# KiCad board rosario.kicad_pcb
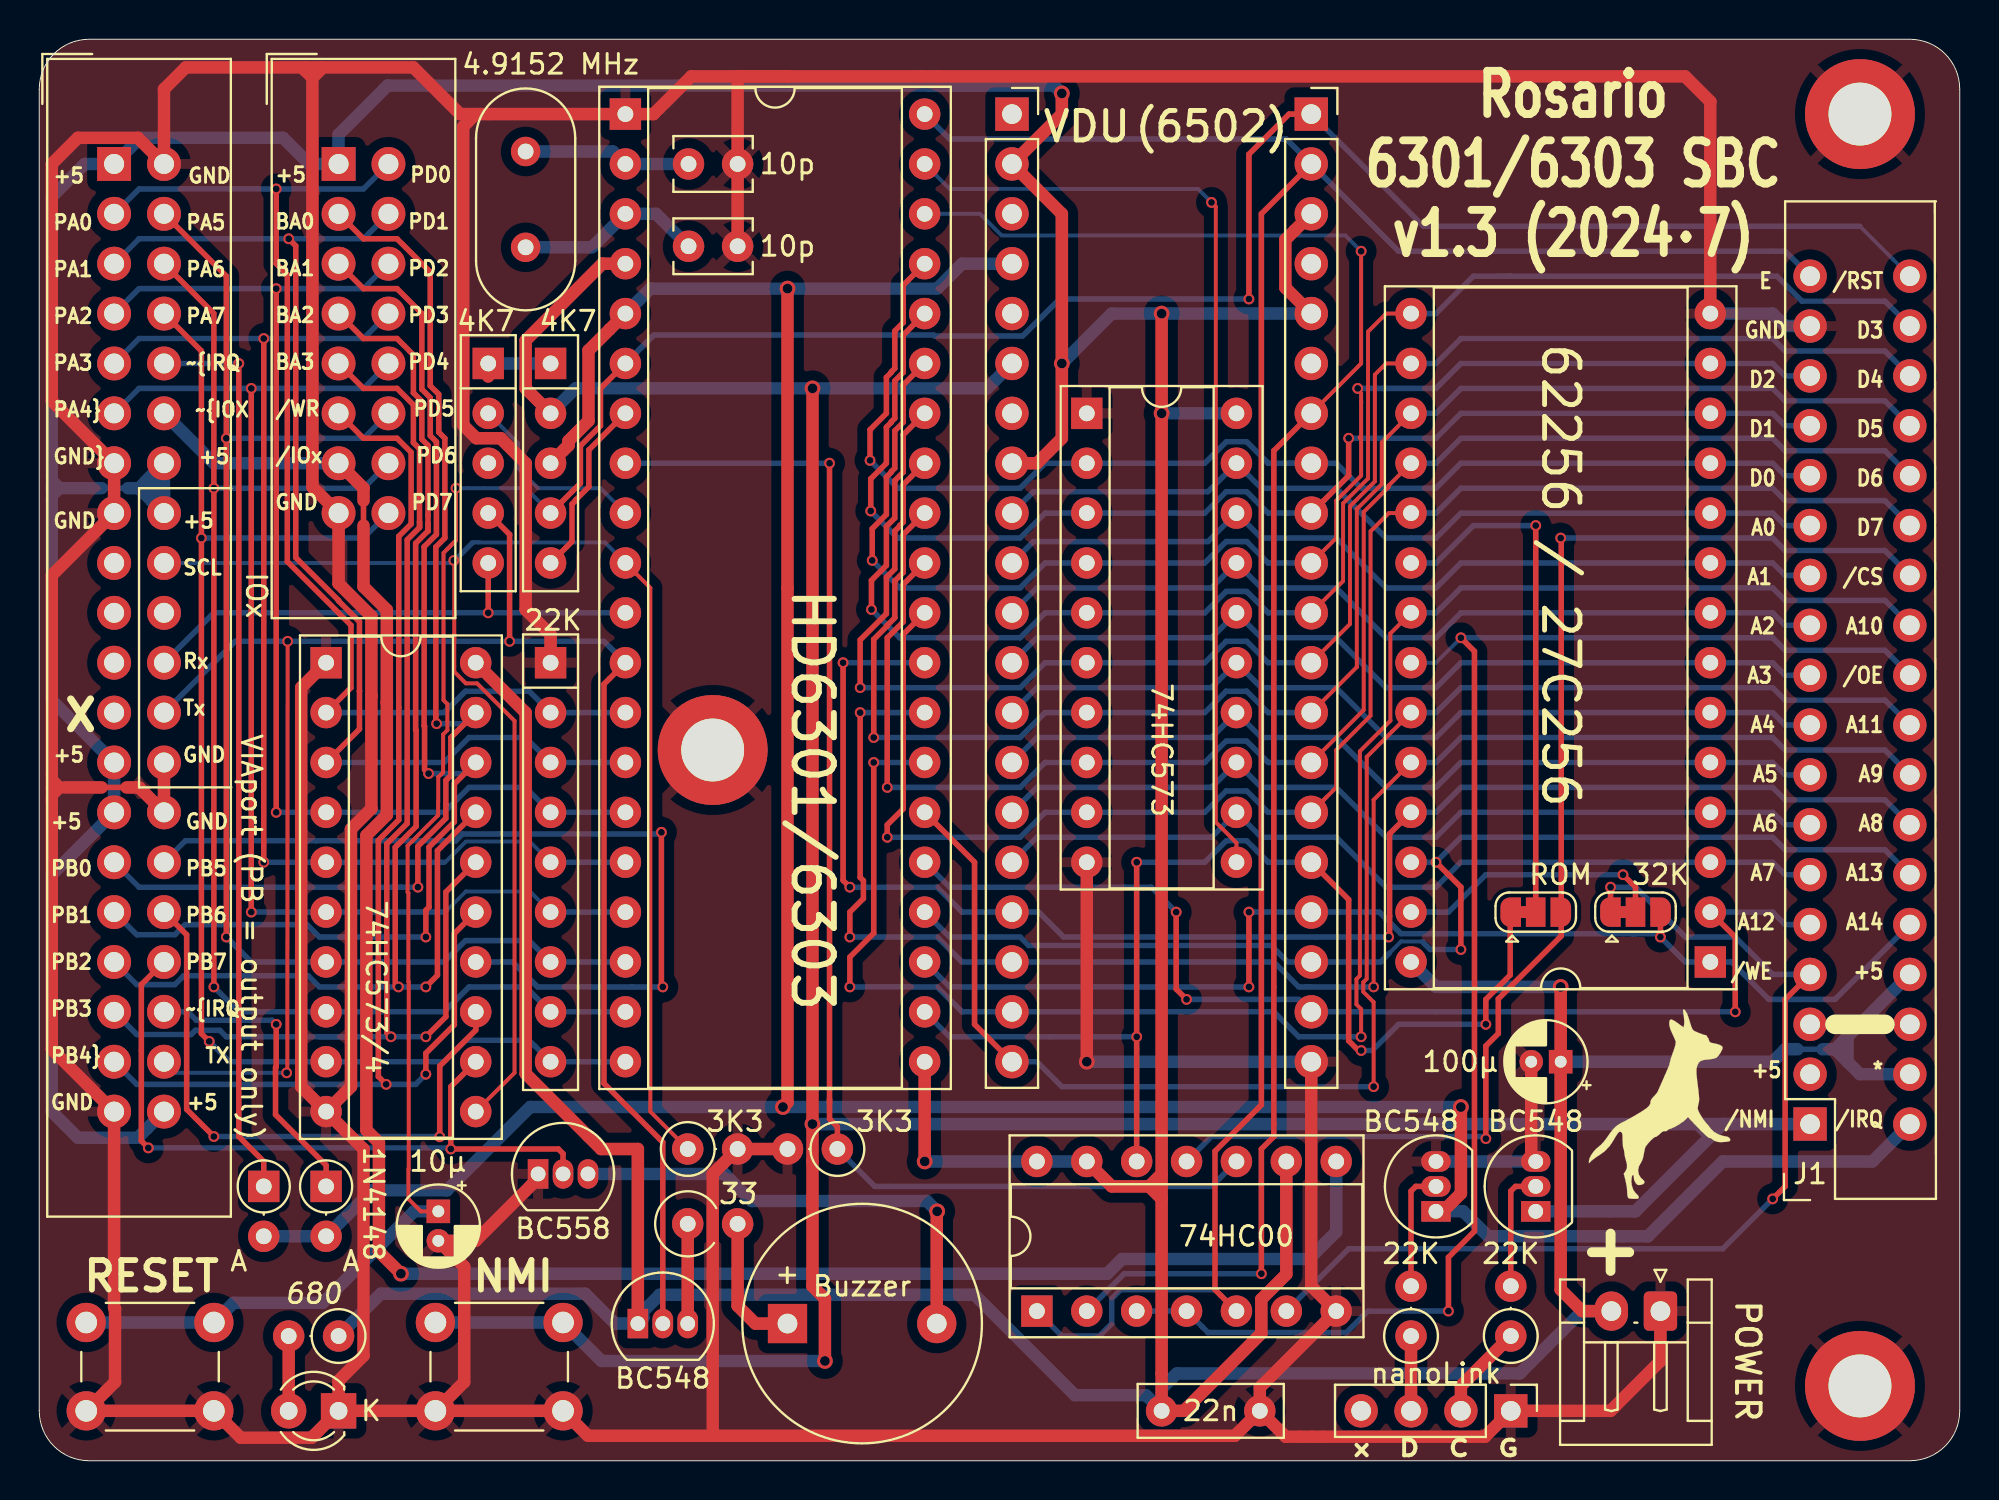
[diagram p0: board, top side]
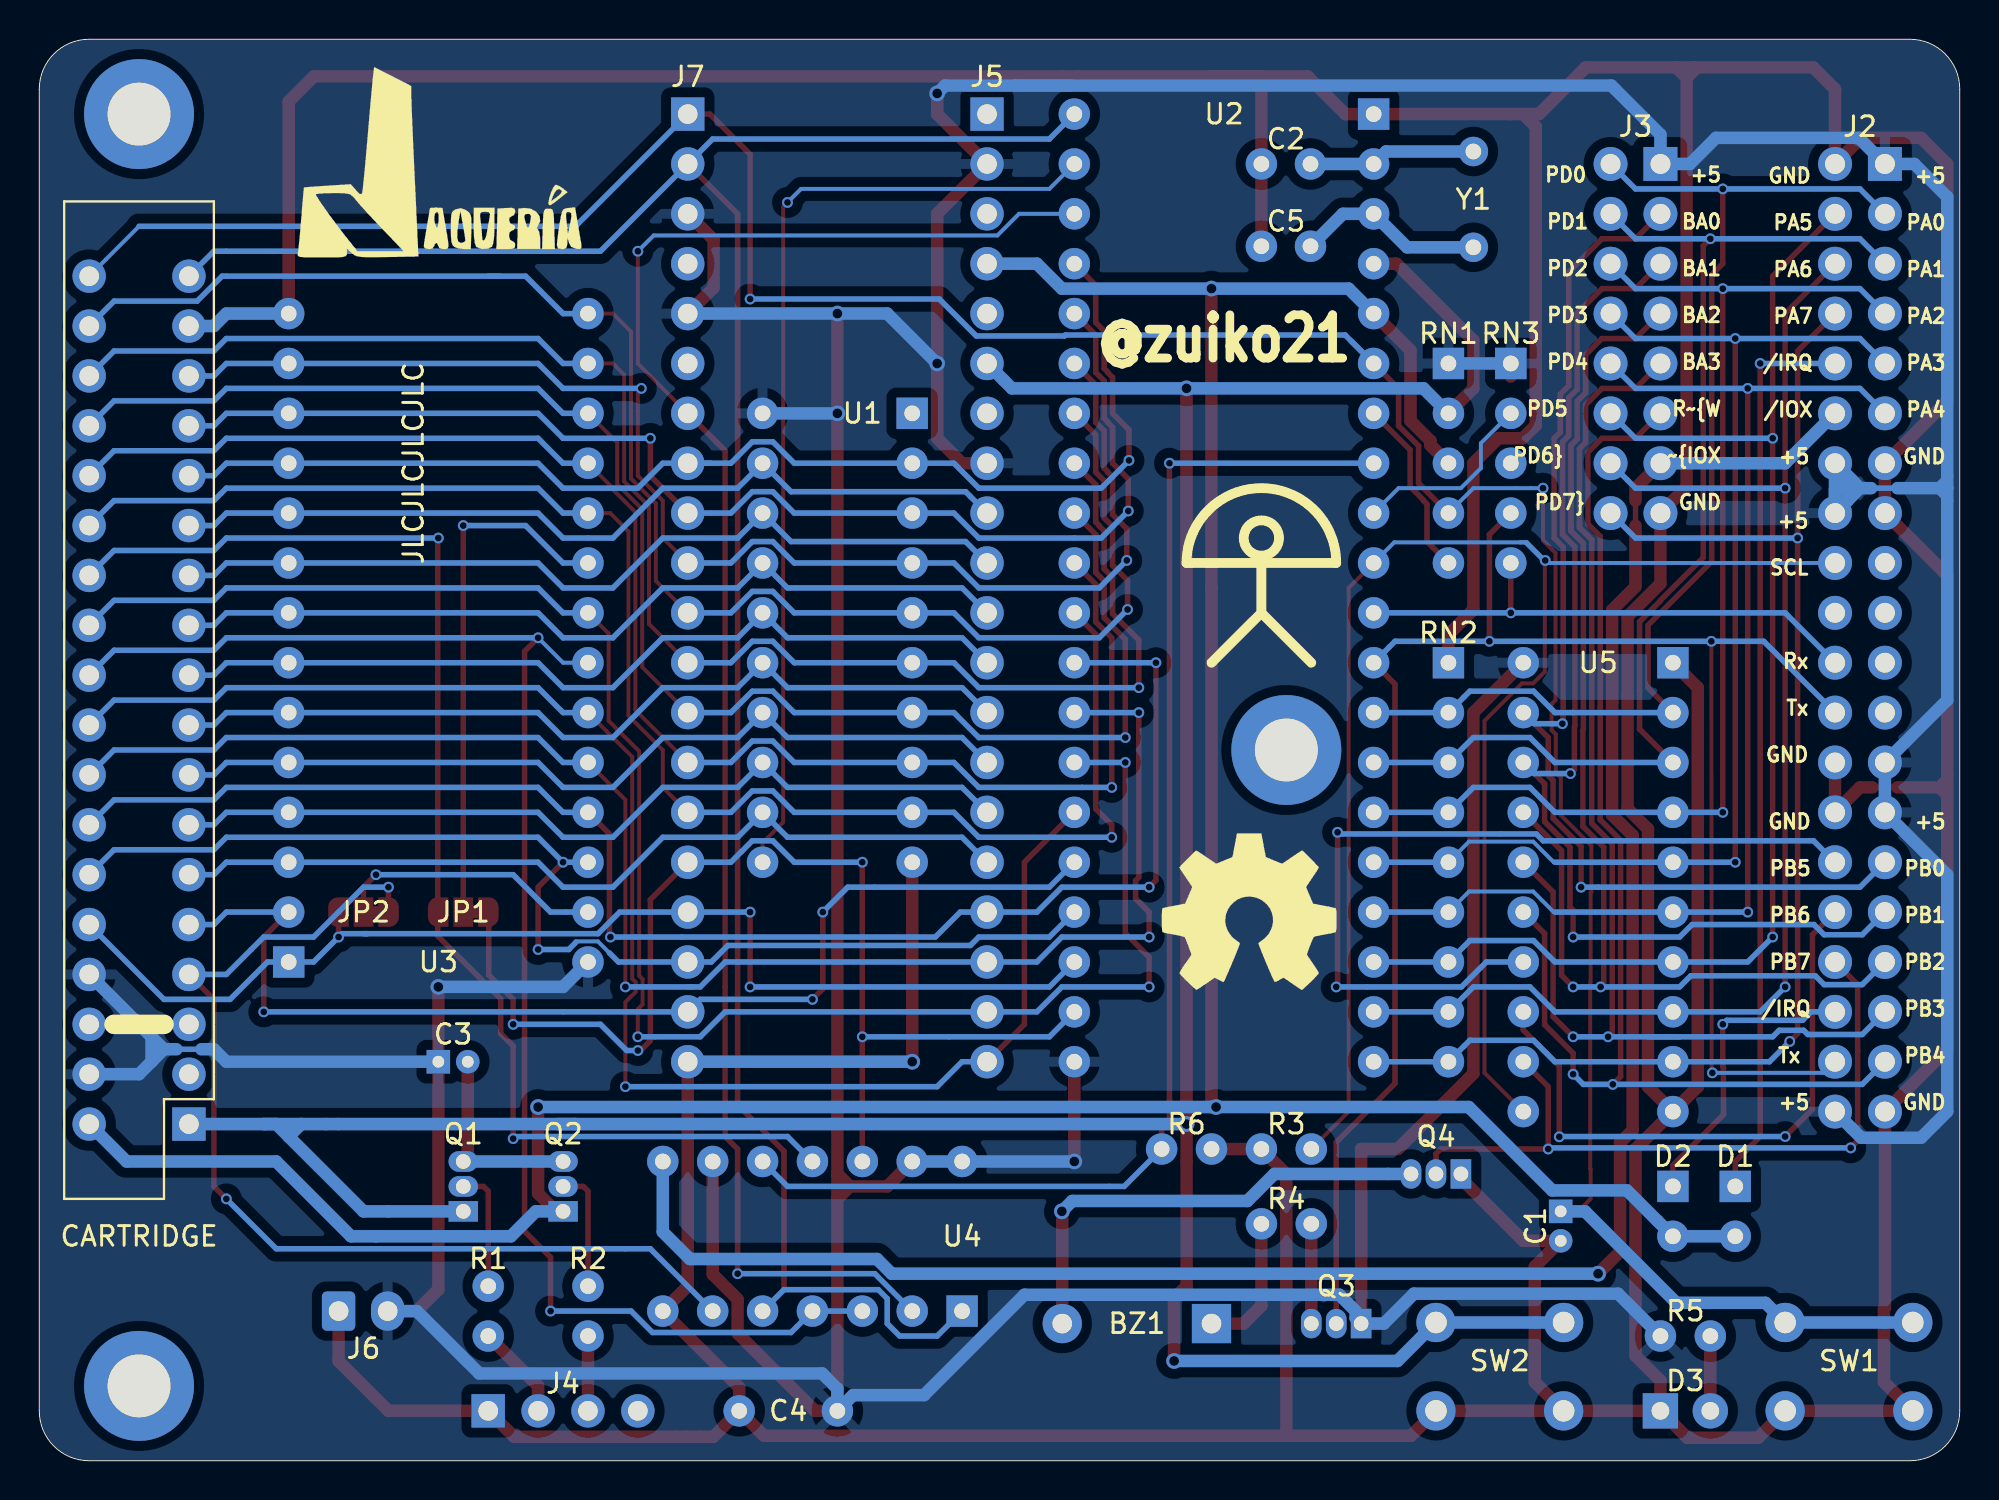
[diagram p1: board, bottom side, seen from below]

Outline 97.79 x 72.39 mm; copper layers: Top, Bottom. Coordinates in mm from the lower left corner of the outline.
Outline path: 0,69.85 arc(0.74,71.65) 2.54,72.39 95.25,72.39 arc(97.05,71.65) 97.79,69.85 97.79,2.54 arc(97.05,0.74) 95.25,0 2.54,0 arc(0.74,0.74) 0,2.54 0,69.85

## Placement (name value [footprint] x y rotation side)
BZ1  Buzzer  [Buzzer_12x9.5RM7.6]  38.1 6.98 0 top
C1  10µ  [CP_Radial_D4.0mm_P1.50mm]  20.32 12.7 270 top
C2  10p  [C_Disc_D3.8mm_W2.6mm_P2.50mm]  35.56 66.04 180 top
C3  100µ  [CP_Radial_D4.0mm_P1.50mm]  77.47 20.32 180 top
C4  22n  [C_Rect_L7.2mm_W2.5mm_P5.00mm_FKS2_FKP2_MKS2_MKP2]  57.15 2.54 0 top
C5  10p  [C_Disc_D3.8mm_W2.6mm_P2.50mm]  35.56 61.85 180 top
D1  1N4148  [D_DO-35_SOD27_P2.54mm_Vertical_AnodeUp]  11.43 13.97 270 top
D2  1N4148  [D_DO-35_SOD27_P2.54mm_Vertical_AnodeUp]  14.61 13.97 270 top
D3  ON  [LED_D3.0mm]  15.24 2.54 180 top
G***  LOGO  [chuchario600]  83.19 18.41 0 top
H1  MountingHole_Pad  [MountingHole_3.2mm_M3_DIN965_Pad]  92.71 68.58 0 top
H2  MountingHole_Pad  [MountingHole_3.2mm_M3_DIN965_Pad]  92.71 3.81 0 top
H3  MountingHole_Pad  [MountingHole_3.2mm_M3_DIN965_Pad]  34.29 36.19 0 top
J1  CARTRIDGE  [PinSocket_2x18_EDGE]  93.98 13.97 180 top
J2  VIAport (PB = output only)  [IDC-Header_2x20_P2.54mm_Vertical]  3.81 66.04 0 top
J3  IOx  [IDC-Header_2x08_P2.54mm_Vertical]  15.24 66.04 0 top
J4  nanoLink  [PinHeader_1x04_P2.54mm_Vertical]  74.93 2.54 270 top
J5  VDU  [PinSocket_1x20_P2.54mm_Vertical]  49.53 68.58 0 top
J6  POWER  [JST_EH_S2B-EH_1x02_P2.50mm_Horizontal]  82.55 7.62 180 top
J7  (6502)  [PinSocket_1x20_P2.54mm_Vertical]  64.77 68.58 0 top
JP1  ROM  [SolderJumper-3_P1.3mm_Bridged12_RoundedPad1.0x1.5mm]  76.2 27.94 0 top
JP2  32K  [SolderJumper-3_P1.3mm_Bridged12_RoundedPad1.0x1.5mm]  81.28 27.94 0 top
LOGO1  Logo_Open_Hardware_Large  [OSHW-Symbol_8.9x8mm_SilkScreen]  36.19 27.94 180 bottom
LOGO2  Logo_Open_Hardware_Small  [jaqueria]  77.47 66.04 180 bottom
Q1  BC548  [TO-92_Inline]  76.2 12.7 90 top
Q2  BC548  [TO-92_Inline]  71.12 12.7 90 top
Q3  BC548  [TO-92_Inline]  30.48 6.98 0 top
Q4  BC558  [TO-92_Inline]  25.4 14.6 0 top
R1  22K  [R_Axial_DIN0207_L6.3mm_D2.5mm_P2.54mm_Vertical]  74.93 6.35 90 top
R2  22K  [R_Axial_DIN0207_L6.3mm_D2.5mm_P2.54mm_Vertical]  69.85 6.35 90 top
R3  3K3  [R_Axial_DIN0207_L6.3mm_D2.5mm_P2.54mm_Vertical]  33.02 15.88 0 top
R4  33  [R_Axial_DIN0309_L9.0mm_D3.2mm_P2.54mm_Vertical]  33.02 12.06 0 top
R5  680  [R_Axial_DIN0207_L6.3mm_D2.5mm_P2.54mm_Vertical]  15.24 6.35 180 top
R6  3K3  [R_Axial_DIN0207_L6.3mm_D2.5mm_P2.54mm_Vertical]  40.64 15.88 180 top
RN1  4K7  [R_Array_SIP5]  26.04 55.88 270 top
RN2  22K  [R_Array_SIP9]  26.04 40.64 270 top
RN3  4K7  [R_Array_SIP5]  22.86 55.88 270 top
SW1  RESET  [SW_PUSH_6mm]  8.89 2.54 180 top
SW2  NMI  [SW_PUSH_6mm]  26.67 2.54 180 top
U1  74HC573  [DIP-20_W7.62mm_Socket]  53.34 53.34 0 top
U2  HD6301/6303  [DIP-40_W15.24mm_Socket]  29.85 68.58 0 top
U3  62256 / 27C256  [DIP-28_W15.24mm_Socket]  85.09 25.4 180 top
U4  74HC00  [DIP-14_W7.62mm_Socket]  50.8 7.62 90 top
U5  74HC573/4  [DIP-20_W7.62mm_Socket]  14.61 40.64 0 top
Y1  4.9152 MHz  [Crystal_HC49-U_Vertical]  24.76 66.67 270 top

## Library data of the parts
BZ1 = -: ki_fp_filters: *Buzzer*
C1 C3 = -: ki_fp_filters: CP_*
C2 C4 C5 = -: ki_fp_filters: C_*
D1 = -: ki_fp_filters: D*DO?35*
D2 = -: ki_fp_filters: TO-???* *_Diode_* *SingleDiode* D_*
D3 = -: ki_fp_filters: LED* LED_SMD:* LED_THT:*
H1-H3 = -: ki_fp_filters: MountingHole*Pad*
J1-J3 = -: ki_fp_filters: Connector*:*_2x??_*
J4-J7 = -: ki_fp_filters: Connector*:*_1x??_*
JP1 JP2 = -: ki_fp_filters: SolderJumper*Bridged12*
Q1-Q3 = -: Datasheet: http://www.fairchildsemi.com/ds/BC/BC547.pdf; ki_fp_filters: TO?92*
Q4 = -: Datasheet: http://www.fairchildsemi.com/ds/BC/BC557.pdf; ki_fp_filters: TO?92*
R1-R6 = -: ki_fp_filters: R_*
RN1-RN3 = -: Datasheet: http://www.vishay.com/docs/31509/csc.pdf; ki_fp_filters: R?Array?SIP*
U1 = -: Datasheet: 74xx/74hc573.pdf; ki_fp_filters: DIP?20*
U2 = -: Datasheet: http://www.6502.org/documents/datasheets/wdc/older/wdc_w65c22s_mar_2004.pdf; ki_fp_filters: DIP*W15.24mm*
U3 = -: Datasheet: http://www.6502.org/users/alexis/62256.pdf
U4 = -: Datasheet: http://www.ti.com/lit/gpn/sn74LS132; ki_fp_filters: DIP*W7.62mm* SO14*
U5 = -: Datasheet: http://www.ti.com/lit/gpn/sn74LS574; ki_fp_filters: DIP?20*
Y1 = -: ki_fp_filters: Crystal*

## Footprints (pads in the part's own frame, mm; a bottom-side part is the same pattern mirrored in y, then rotated)
Buzzer_12x9.5RM7.6
  rect 2x2 hole 1: 1(0,0)
  round 2 hole 1: 2(7.6,0)
C_Disc_D3.8mm_W2.6mm_P2.50mm
  round 1.6 hole 0.8: 1(0,0) 2(2.5,0)
C_Rect_L7.2mm_W2.5mm_P5.00mm_FKS2_FKP2_MKS2_MKP2
  round 1.6 hole 0.8: 1(0,0) 2(5,0)
CP_Radial_D4.0mm_P1.50mm
  rect 1.2x1.2 hole 0.6: 1(0,0)
  round 1.2 hole 0.6: 2(1.5,0)
Crystal_HC49-U_Vertical
  round 1.5 hole 0.8: 1(0,0) 2(4.88,0)
D_DO-35_SOD27_P2.54mm_Vertical_AnodeUp
  rect 1.6x1.6 hole 0.8: 1(0,0)
  oval 1.6x1.6 hole 0.8: 2(2.54,0)
DIP-14_W7.62mm_Socket
  rect 1.6x1.6 hole 0.8: 1(0,0)
  oval 1.6x1.6 hole 0.8: 2(0,-2.54) 3(0,-5.08) 4(0,-7.62) 5(0,-10.16) 6(0,-12.7) 7(0,-15.24) 8(7.62,-15.24) 9(7.62,-12.7) 10(7.62,-10.16) 11(7.62,-7.62) 12(7.62,-5.08) 13(7.62,-2.54) 14(7.62,0)
DIP-20_W7.62mm_Socket
  rect 1.6x1.6 hole 0.8: 1(0,0)
  oval 1.6x1.6 hole 0.8: 2(0,-2.54) 3(0,-5.08) 4(0,-7.62) 5(0,-10.16) 6(0,-12.7) 7(0,-15.24) 8(0,-17.78) 9(0,-20.32) 10(0,-22.86) 11(7.62,-22.86) 12(7.62,-20.32) 13(7.62,-17.78) 14(7.62,-15.24) 15(7.62,-12.7) 16(7.62,-10.16) 17(7.62,-7.62) 18(7.62,-5.08) 19(7.62,-2.54) 20(7.62,0)
DIP-28_W15.24mm_Socket
  rect 1.6x1.6 hole 0.8: 1(0,0)
  oval 1.6x1.6 hole 0.8: 2(0,-2.54) 3(0,-5.08) 4(0,-7.62) 5(0,-10.16) 6(0,-12.7) 7(0,-15.24) 8(0,-17.78) 9(0,-20.32) 10(0,-22.86) 11(0,-25.4) 12(0,-27.94) 13(0,-30.48) 14(0,-33.02) 15(15.24,-33.02) 16(15.24,-30.48) 17(15.24,-27.94) 18(15.24,-25.4) 19(15.24,-22.86) 20(15.24,-20.32) 21(15.24,-17.78) 22(15.24,-15.24) 23(15.24,-12.7) 24(15.24,-10.16) 25(15.24,-7.62) 26(15.24,-5.08) 27(15.24,-2.54) 28(15.24,0)
DIP-40_W15.24mm_Socket
  rect 1.6x1.6 hole 0.8: 1(0,0)
  oval 1.6x1.6 hole 0.8: 2(0,-2.54) 3(0,-5.08) 4(0,-7.62) 5(0,-10.16) 6(0,-12.7) 7(0,-15.24) 8(0,-17.78) 9(0,-20.32) 10(0,-22.86) 11(0,-25.4) 12(0,-27.94) 13(0,-30.48) 14(0,-33.02) 15(0,-35.56) 16(0,-38.1) 17(0,-40.64) 18(0,-43.18) 19(0,-45.72) 20(0,-48.26) 21(15.24,-48.26) 22(15.24,-45.72) 23(15.24,-43.18) 24(15.24,-40.64) 25(15.24,-38.1) 26(15.24,-35.56) 27(15.24,-33.02) 28(15.24,-30.48) 29(15.24,-27.94) 30(15.24,-25.4) 31(15.24,-22.86) 32(15.24,-20.32) 33(15.24,-17.78) 34(15.24,-15.24) 35(15.24,-12.7) 36(15.24,-10.16) 37(15.24,-7.62) 38(15.24,-5.08) 39(15.24,-2.54) 40(15.24,0)
IDC-Header_2x08_P2.54mm_Vertical
  rect 1.727x1.727 hole 1.016: 1(0,0)
  oval 1.727x1.727 hole 1.016: 2(2.54,0) 3(0,-2.54) 4(2.54,-2.54) 5(0,-5.08) 6(2.54,-5.08) 7(0,-7.62) 8(2.54,-7.62) 9(0,-10.16) 10(2.54,-10.16) 11(0,-12.7) 12(2.54,-12.7) 13(0,-15.24) 14(2.54,-15.24) 15(0,-17.78) 16(2.54,-17.78)
IDC-Header_2x20_P2.54mm_Vertical
  rect 1.727x1.727 hole 1.016: 1(0,0)
  oval 1.727x1.727 hole 1.016: 2(2.54,0) 3(0,-2.54) 4(2.54,-2.54) 5(0,-5.08) 6(2.54,-5.08) 7(0,-7.62) 8(2.54,-7.62) 9(0,-10.16) 10(2.54,-10.16) 11(0,-12.7) 12(2.54,-12.7) 13(0,-15.24) 14(2.54,-15.24) 15(0,-17.78) 16(2.54,-17.78) 17(0,-20.32) 18(2.54,-20.32) 19(0,-22.86) 20(2.54,-22.86) 21(0,-25.4) 22(2.54,-25.4) 23(0,-27.94) 24(2.54,-27.94) 25(0,-30.48) 26(2.54,-30.48) 27(0,-33.02) 28(2.54,-33.02) 29(0,-35.56) 30(2.54,-35.56) 31(0,-38.1) 32(2.54,-38.1) 33(0,-40.64) 34(2.54,-40.64) 35(0,-43.18) 36(2.54,-43.18) 37(0,-45.72) 38(2.54,-45.72) 39(0,-48.26) 40(2.54,-48.26)
JST_EH_S2B-EH_1x02_P2.50mm_Horizontal
  rrect 1.7x2 hole 1: 1(0,0)
  oval 1.7x2 hole 1: 2(2.5,0)
LED_D3.0mm
  rect 1.8x1.8 hole 0.9: 1(0,0)
  round 1.8 hole 0.9: 2(2.54,0)
MountingHole_3.2mm_M3_DIN965_Pad
  round 5.6 hole 3.2: 1(0,0)
PinHeader_1x04_P2.54mm_Vertical
  rect 1.7x1.7 hole 1: 1(0,0)
  oval 1.7x1.7 hole 1: 2(0,-2.54) 3(0,-5.08) 4(0,-7.62)
PinSocket_1x20_P2.54mm_Vertical
  rect 1.7x1.7 hole 1: 1(0,0)
  oval 1.7x1.7 hole 1: 2(0,-2.54) 3(0,-5.08) 4(0,-7.62) 5(0,-10.16) 6(0,-12.7) 7(0,-15.24) 8(0,-17.78) 9(0,-20.32) 10(0,-22.86) 11(0,-25.4) 12(0,-27.94) 13(0,-30.48) 14(0,-33.02) 15(0,-35.56) 16(0,-38.1) 17(0,-40.64) 18(0,-43.18) 19(0,-45.72) 20(0,-48.26)
PinSocket_2x18_EDGE
  rect 1.7x1.7 hole 1: 1(3.81,-3.175)
  oval 1.7x1.7 hole 1: 2(-1.27,-3.175) 3(3.81,-5.715) 4(-1.27,-5.715) 5(3.81,-8.255) 6(-1.27,-8.255) 7(3.81,-10.795) 8(-1.27,-10.795) 9(3.81,-13.335) 10(-1.27,-13.335) 11(3.81,-15.875) 12(-1.27,-15.875) 13(3.81,-18.415) 14(-1.27,-18.415) 15(3.81,-20.955) 16(-1.27,-20.955) 17(3.81,-23.495) 18(-1.27,-23.495) 19(3.81,-26.035) 20(-1.27,-26.035) 21(3.81,-28.575) 22(-1.27,-28.575) 23(3.81,-31.115) 24(-1.27,-31.115) 25(3.81,-33.655) 26(-1.27,-33.655) 27(3.81,-36.195) 28(-1.27,-36.195) 29(3.81,-38.735) 30(-1.27,-38.735) 31(3.81,-41.275) 32(-1.27,-41.275) 33(3.81,-43.815) 34(-1.27,-43.815) 35(3.81,-46.355) 36(-1.27,-46.355)
R_Array_SIP5
  rect 1.6x1.6 hole 0.8: 1(0,0)
  oval 1.6x1.6 hole 0.8: 2(2.54,0) 3(5.08,0) 4(7.62,0) 5(10.16,0)
R_Array_SIP9
  rect 1.6x1.6 hole 0.8: 1(0,0)
  oval 1.6x1.6 hole 0.8: 2(2.54,0) 3(5.08,0) 4(7.62,0) 5(10.16,0) 6(12.7,0) 7(15.24,0) 8(17.78,0) 9(20.32,0)
R_Axial_DIN0207_L6.3mm_D2.5mm_P2.54mm_Vertical
  round 1.6 hole 0.8: 1(0,0)
  oval 1.6x1.6 hole 0.8: 2(2.54,0)
R_Axial_DIN0309_L9.0mm_D3.2mm_P2.54mm_Vertical
  round 1.6 hole 0.8: 1(0,0)
  oval 1.6x1.6 hole 0.8: 2(2.54,0)
SolderJumper-3_P1.3mm_Bridged12_RoundedPad1.0x1.5mm
  custom 1.05x1.5 smd: 1(-1.3,0) 3(1.3,0)
  rect 1x1.5 smd: 2(0,0)
SW_PUSH_6mm
  round 2 hole 1.1: 1(0,0) 1(6.5,0) 2(0,-4.5) 2(6.5,-4.5)
TO-92_Inline
  rect 1.05x1.5 hole 0.75: 1(0,0)
  oval 1.05x1.5 hole 0.75: 2(1.27,0) 3(2.54,0)
